# KiCad board ultraterm.kicad_pcb
title: ULTRATERM PCB; date: 2025-06-28; rev: 3; note: SD CARD IS FULL; note: BLOOD IS FUEL; note: MANKIND IS DEAD
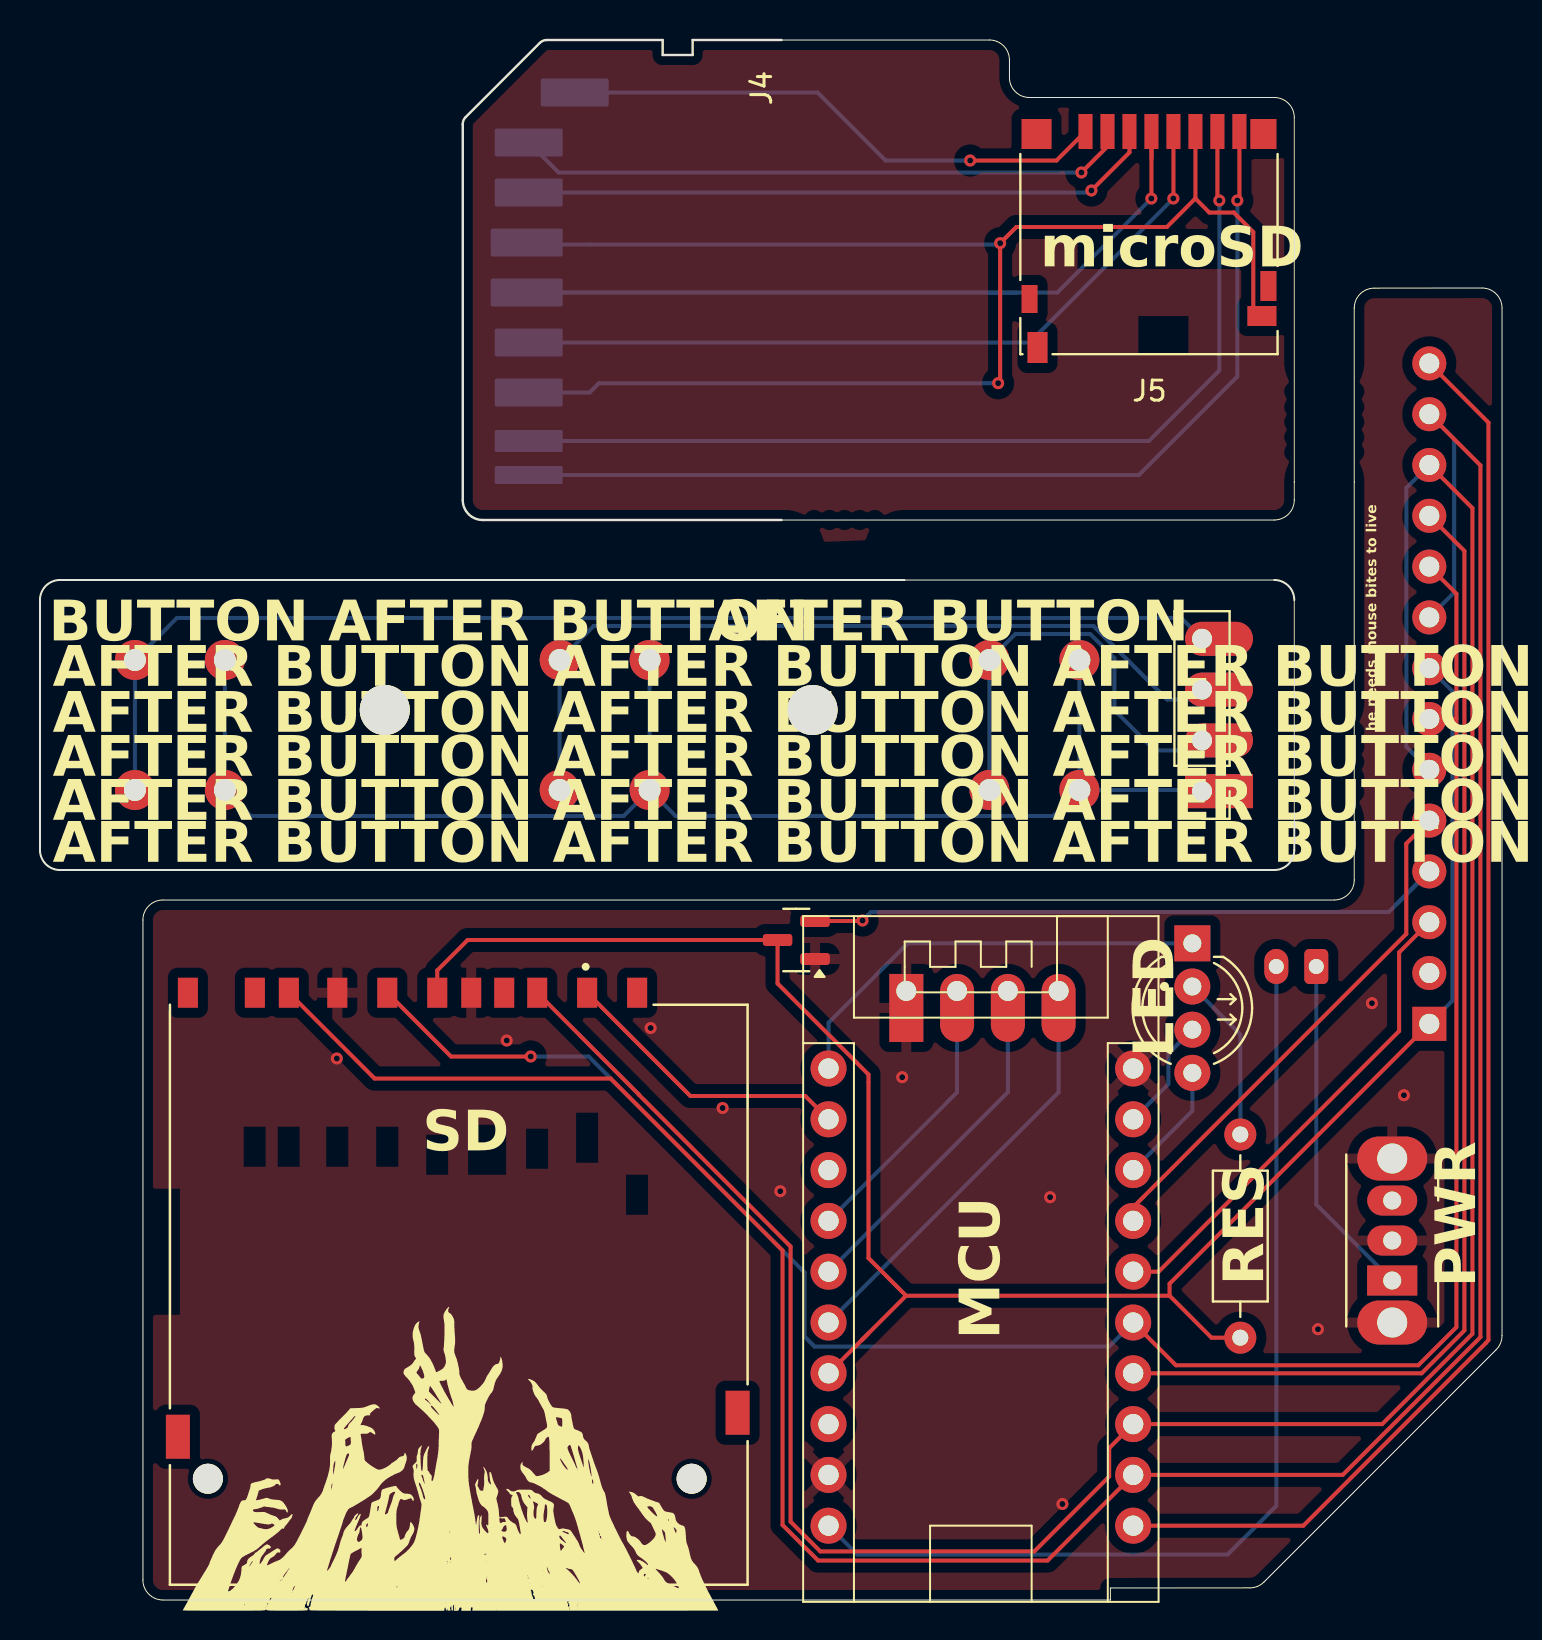
[diagram p0: board, top side]
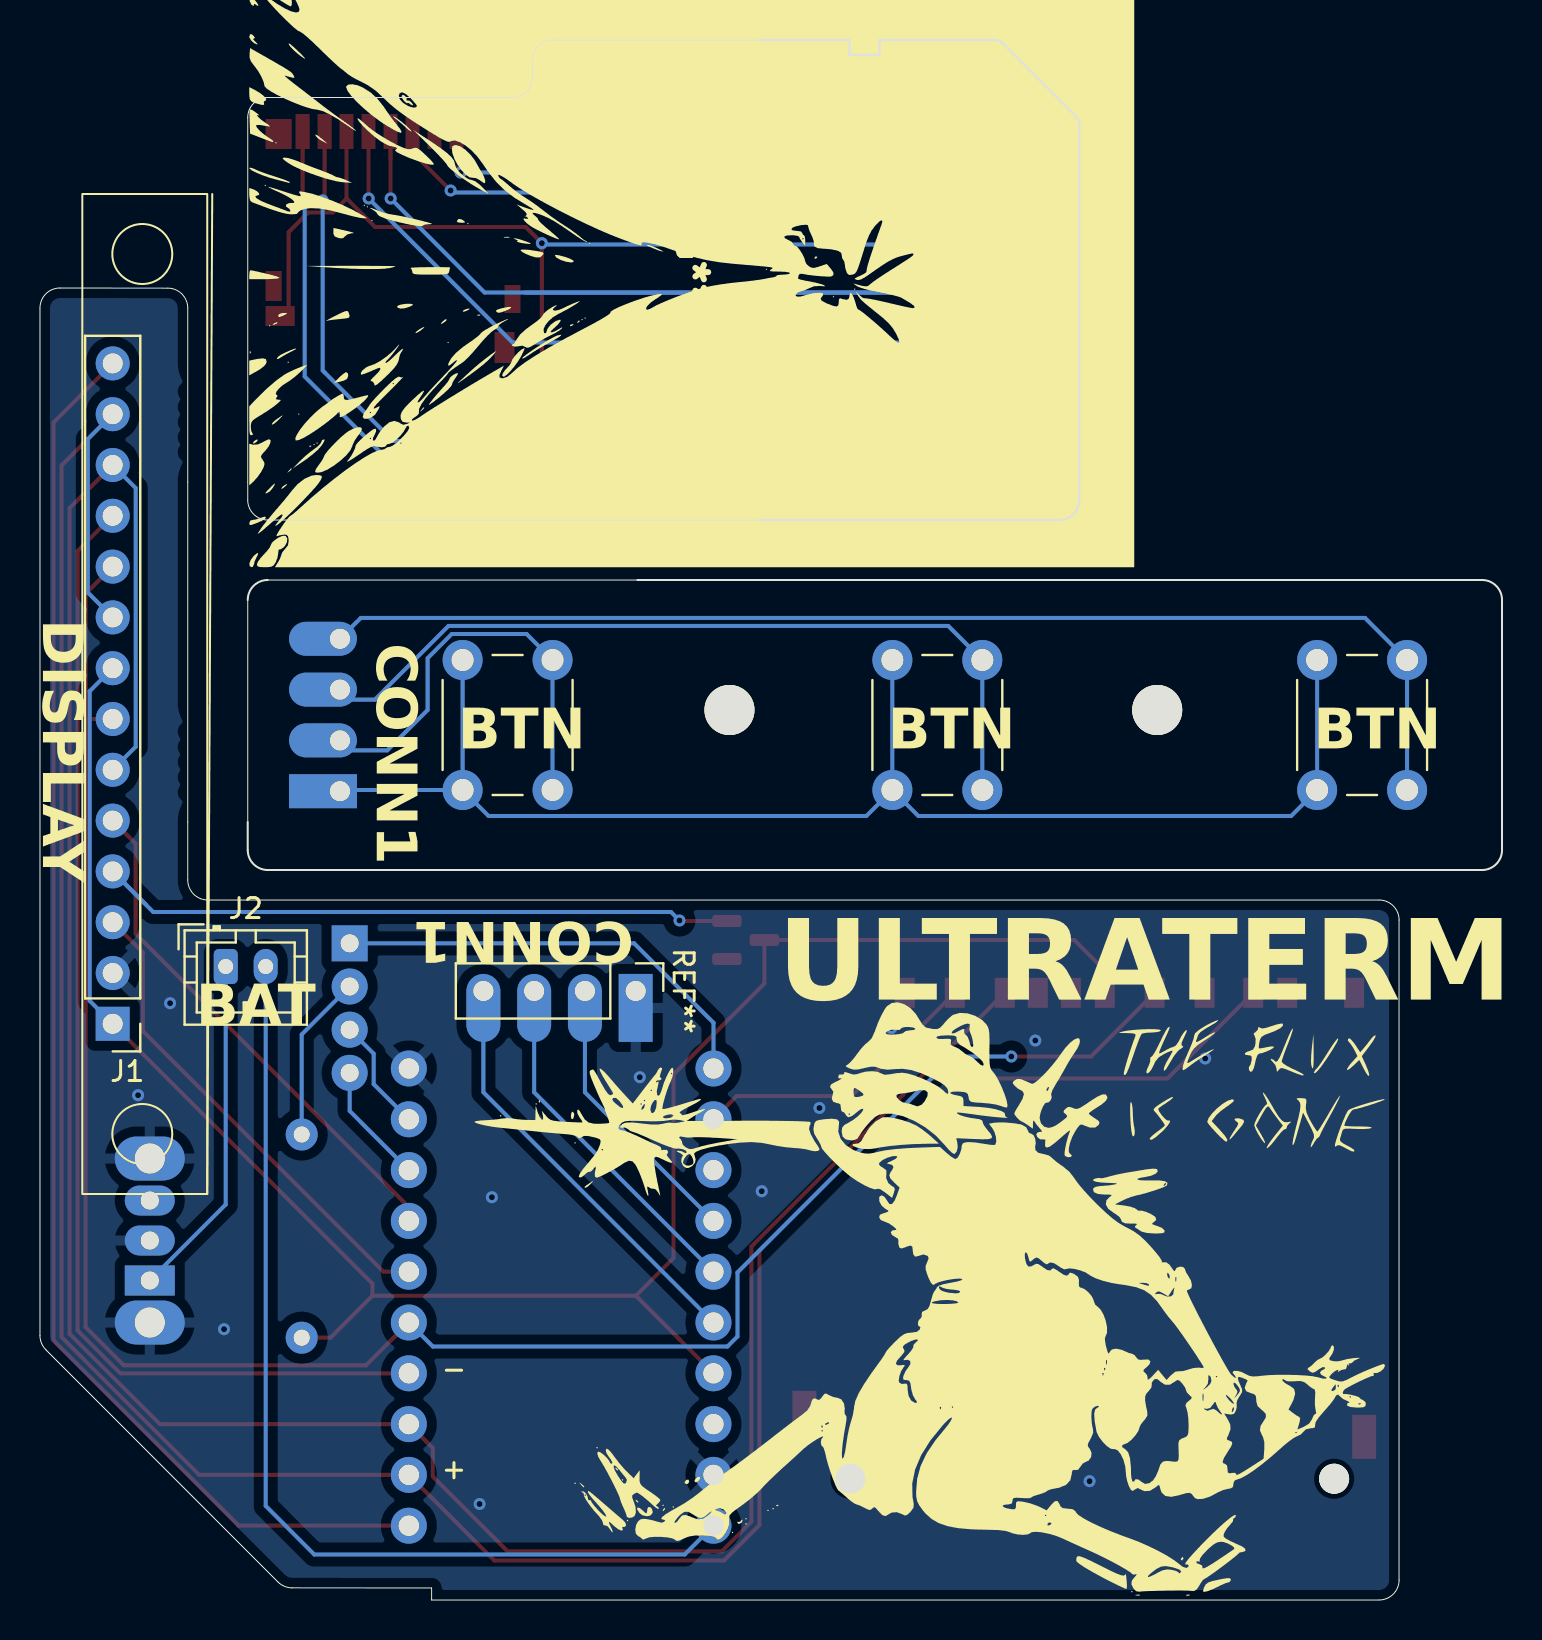
[diagram p1: board, bottom side, seen from below]

Outline 73.14 x 78 mm; copper layers: Top, Bottom. Coordinates in mm from the lower left corner of the outline.
Outline path: 37.1,78 47.5,78 arc(48.21,77.71) 48.5,77 48.5,76.13 arc(48.79,75.42) 49.5,75.13 61.75,75.13 arc(62.46,74.83) 62.75,74.13 ; 37.1,54 61.75,54 arc(62.46,54.29) 62.75,55 62.75,74.12 ; 60.54,0.61 53.55,0.6 53.55,0 6.15,0 arc(5.44,0.29) 5.15,1 5.15,34 arc(5.44,34.71) 6.15,35 64.75,35 arc(65.46,35.29) 65.75,36 65.75,64.59 arc(66.04,65.3) 66.75,65.59 72.14,65.6 arc(72.85,65.31) 73.14,64.6 ; 60.53,0.61 arc(60.91,0.68) 61.24,0.9 72.85,12.51 arc(73.07,12.84) 73.14,13.22 73.14,64.6 ; 0,50 arc(0.29,50.71) 1,51 43.25,51 61.75,51 arc(62.46,50.71) 62.75,50 62.75,38.9 62.75,37.5 arc(62.46,36.79) 61.75,36.5 1,36.5 arc(0.29,36.79) 0,37.5 0,50

## Placement (name value [footprint] x y rotation side)
G***  -  [LOGO]  59.14 57.64 90 top
G***#2  -  [LOGO]  33.64 65.84 90 top
G***#3  -  [LOGO]  20.57 12.33 0 top
G***#4  -  [LOGO]  29.23 14.64 180 bottom
G***#5  -  [LOGO]  40.54 66 90 bottom
J1  ILI9341  [PinHeader_1x14_P2.54mm_Vertical]  70.28 45.3 0 bottom
J2  Battery_plug  [JST_PH_B2B-PH-K_1x02_P2.00mm_Vertical]  63.85 31.68 180 bottom
J3  SD_Card_Receptacle  [AMPHENOL_10067847-001RLF]  20.5 6.06 0 top
J4  SD_Card_Device  [SD_Card_Device_16mm_SlotDepth]  37.15 66 90 top
J5  Micro_SD_Card  [microSD_HC_Hirose_DM3D-SF]  55.48 68.08 180 top
LED1  LED_5mm_RGB_Kcom_RKGB  [LED_D5.0mm-4_RGB_Wide_Pins]  57.65 32.83 270 top
R1  33ohm  [R_Axial_DIN0207_L6.3mm_D2.5mm_P10.16mm_Horizontal]  60.05 13.12 90 top
REF**  -  [PinHeader_1x04_P2.54mm_Vertical]  58.14 40.44 180 top
REF**#2  -  [MountingHole_2.5mm]  17.25 44.5 0 top
REF**#3  -  [MountingHole_2.5mm]  38.65 44.5 0 top
REF**#4  -  [PinHeader_1x04_P2.54mm_Vertical]  43.34 30.45 270 bottom
SW1  SW_Push  [SW_PUSH_6mm]  47.5 47 270 bottom
SW2  SW_Push  [SW_PUSH_6mm]  26 47 270 bottom
SW3  SW_Push  [SW_PUSH_6mm]  4.75 47 270 bottom
SW4  SW_SPST  [SW_Slide_SPDT_Angled_CK_OS102011MA1Q]  67.65 15.98 90 top
U2  LM809  [SOT-23]  37.84 33 180 top
U3  ~  [TINYPICO]  47.07 8.8 180 top

## Library data of the parts
J1 = -: Description: Generic connector, single row, 01x08, script generated; ki_fp_filters: Connector*:*_1x??_*
J2 = -: Description: Generic connector, single row, 01x02, script generated (kicad-library-utils/schlib/autogen/connector/); ki_fp_filters: Connector*:*_1x??_*
J3 = -: Datasheet: http://portal.fciconnect.com/Comergent//fci/drawing/10067847.pdf; Description: SD card receptacle; ki_fp_filters: SD*
J4 = -: Datasheet: http://www.convict.lu/pdf/ProdManualSDCardv1.9.pdf; Description: SD card device/card; ki_fp_filters: SD*Device*
J5 = -: Datasheet: https://www.we-online.com/components/products/datasheet/693072010801.pdf; Description: Micro SD Card Socket; ki_fp_filters: microSD*
LED1 = -: Description: RGB LED, generic 5mm THT, common anode, Alternate KiCad Library; ki_fp_filters: LED* LED_SMD:* LED_THT:*
R1 = -: Description: 33Ω, 1/4W Resistor; ki_fp_filters: Resistor_THT:R_Axial_DIN0207_L6.3mm_D2.5mm*
SW1-SW3 = -: Description: Push button switch, generic, two pins
SW4 = -: Description: Single Pole Single Throw (SPST) switch
U2 = -: Datasheet: http://www.ti.com/lit/ds/symlink/lm809.pdf; Description: Microprocessor Reset (active-low) Circuit, SOT-23; ki_fp_filters: SOT?23*

## Footprints (pads in the part's own frame, mm; a bottom-side part is the same pattern mirrored in y, then rotated)
AMPHENOL_10067847-001RLF
  round 1.5 hole 1.5 unplated: (-12.1,0) (12.1,0)
  rect 1x1.5 smd: 1(6.875,24.3) 2(4.375,24.3) 3(1.075,24.3) 4(-0.625,24.3) 5(-3.125,24.3) 6(-5.625,24.3) 7(-8.05,24.3) 8(-9.75,24.3) 9(9.375,24.3) CD(2.725,24.3) WP(-13.1,24.3)
  rect 1.2x2.2 smd: G1(-13.6,2.1) G2(14.4,3.3)
JST_PH_B2B-PH-K_1x02_P2.00mm_Vertical
  rrect 1.2x1.75 hole 0.75: 1(0,0)
  oval 1.2x1.75 hole 0.75: 2(2,0)
LED_D5.0mm-4_RGB_Wide_Pins
  rect 1.8x1.8 hole 0.9: 1(0,0)
  round 1.8 hole 0.9: 2(2.159,0) 3(4.318,0) 4(6.477,0)
microSD_HC_Hirose_DM3D-SF
  rect 0.7x1.75 smd: 1(3.175,-5.35) 2(2.075,-5.35) 3(0.975,-5.35) 4(-0.125,-5.35) 5(-1.225,-5.35) 6(-2.325,-5.35) 7(-3.425,-5.35) 8(-4.525,-5.35)
  rect 1.45x1 smd: 9(-5.65,3.875)
  rect 1x1.55 smd: 10(5.575,5.45)
  rect 0.8x1.5 smd: 11(-5.975,2.375)
  rect 1.3x1.5 smd: 11(-5.725,-5.225)
  rect 1.5x1.5 smd: 11(5.625,-5.225)
  rect 0.8x1.4 smd: 11(5.975,3.025)
MountingHole_2.5mm
  round 2.5 hole 2.5 unplated: (0,0)
PinHeader_1x04_P2.54mm_Vertical
  rect 3.4x1.7 hole 1: 1(0,0)
  rrect 3.4x1.7 hole 1: 2(0,-2.54) 3(0,-5.08) 4(0,-7.62)
PinHeader_1x14_P2.54mm_Vertical
  rect 1.7x1.7 hole 1: 1(-0.77,16.49)
  round 1.7 hole 1: 2(-0.77,13.95) 3(-0.77,11.41) 4(-0.77,8.87) 5(-0.77,6.33) 6(-0.77,3.79) 7(-0.77,1.25) 8(-0.77,-1.29) 9(-0.77,-3.83) 10(-0.77,-6.37) 11(-0.77,-8.91) 12(-0.77,-11.45) 13(-0.77,-13.99) 14(-0.77,-16.53)
R_Axial_DIN0207_L6.3mm_D2.5mm_P10.16mm_Horizontal
  round 1.6 hole 0.8: 1(0,0)
  oval 1.6x1.6 hole 0.8: 2(10.16,0)
SD_Card_Device_16mm_SlotDepth
  rrect 1.4x3.4 smd far side: 1(6.875,12.7) 2(4.375,12.7) 5(-3.125,12.7) 6(-5.625,12.7) 9(9.375,10.4)
  rrect 1.4x3.6 smd far side: 3(1.875,12.8) 4(-0.625,12.8)
  rrect 1.1x3.4 smd far side: 7(-8.05,12.7)
  rrect 0.9x3.4 smd far side: 8(-9.75,12.7)
SOT-23
  rrect 1.475x0.6 smd: 1(-0.938,0.95) 2(-0.938,-0.95) 3(0.938,0)
SW_PUSH_6mm
  round 2 hole 1.1: 1(0,0) 1(6.5,0) 2(0,-4.5) 2(6.5,-4.5)
SW_Slide_SPDT_Angled_CK_OS102011MA1Q
  oval 2.2x3.5 hole 1.5: (-2.1,0) (6.1,0)
  rect 1.5x2.5 hole 0.9: 1(0,0)
  oval 1.5x2.5 hole 0.9: 2(2,0) 3(4,0)
TINYPICO
  round 1.8 hole 1.016: 1(-7.62,5.08) 2(-7.62,2.54) 3(-7.62,0) 4(-7.62,-2.54) 5(-7.62,-5.08) 6(-7.62,-7.62) 7(-7.62,-10.16) 8(-7.62,-12.7) 9(-7.62,-15.24) 10(-7.62,-17.78) 11(7.62,5.08) 12(7.62,2.54) 13(7.62,0) 14(7.62,-2.54) 15(7.62,-5.08) 16(7.62,-7.62) 17(7.62,-10.16) 18(7.62,-12.7) 19(7.62,-15.24) 20(7.62,-17.78)

## Nets
+3V3: J1.1 J1.8 J3.4 R1.1 U2.3 U3.14
GND: J1.2 J3.3 J3.6 REF**.1 REF**#4.1 SW1.2 SW2.2 SW3.2 SW4. SW4.2 U2.1 U3.10 U3.12
VBAT: J2.2 U3.11
b1: REF**.2 REF**#4.2 SW1.1 U3.17
b2: REF**.3 REF**#4.3 SW2.1 U3.16
b3: REF**.4 REF**#4.4 SW3.1 U3.15
CLK: J1.7 J1.10 J3.5 U3.5
LCD_CS: J1.3 U3.6
LCD_DS: J1.5 U3.7
LCD_RES: J1.4 U2.2
LED_B: LED1.4 U3.8
LED_G: LED1.3 U3.9
LED_R: LED1.1 U3.20
MISO: J1.9 J1.13 J3.7 U3.2
MOSI: J1.6 J1.12 J3.2 U3.3
SD CS: J3.1 U3.19
TOUCH_CS: J1.11 U3.4
TOUCH_PEN: J1.14 U3.1
Net-(J2-Pin_1): J2.1 SW4.1
Net-(J4-CD/DAT3): J4.1 J5.2
Net-(J4-CLK): J4.5 J5.5
Net-(J4-CMD): J4.2 J5.3
Net-(J4-DAT0): J4.7 J5.7
Net-(J4-DAT1): J4.8 J5.8
Net-(J4-DAT2): J4.9 J5.1
Net-(J4-VDD): J4.4 J5.4
Net-(J5-SHIELD): J4.3 J4.6 J5.6 J5.9
Net-(LED1-A): LED1.2 R1.2

Pads without a net: J3 8 9 CD G1 G2 WP; J5 10 11; SW4 3; U3 13 18

## Via types
v1: diameter 0.6, hole 0.3, Top to Bottom, 23 vias

## Routing (per net, layer and track width the routed paths; a pad name or vN(x,y) marks a point on that pad's centre or on a via; arc(x,y) is an arc through that point)
+3V3: length 100.5
  Top w0.2: 43.33,15.21 56.51,15.21 ; 43.33,15.21 41.12,13.01 ; 43.33,15.21 41.45,17.09 41.45,26.27 36.9,30.82 U2.3 21.4,33 19.88,31.48 J3.4 ; 41.12,13.01 U3.14 ; 41.12,13.01 41.45,13.34 ; 56.51,15.21 58.61,13.12 R1.1 ; 56.51,15.21 56.51,15.82 J1.1
  Bottom w0.2: J1.1 70.66,29.96 70.66,45.44 J1.8
GND: length 71.4
  Bottom w0.2: SW1.2 SW1.2 ; SW1.2 58.08,40.5 REF**.1 ; SW1.2 50.7,39.2 31.8,39.2 SW2.2 ; SW2.2 29.2,39.2 10.55,39.2 SW3.2 SW3.2 ; SW2.2 SW2.2 ; 67.65,22.07 67.65,21.78 67.25,21.38
  vias: v1(14.85,27.08) v1(20.64,5.94) v1(23.35,27.98) v1(30.55,28.6) v1(34.15,24.6) v1(37.04,20.44) v1(43.14,26.14) v1(50.54,20.14) v1(51.15,4.8) v1(63.94,13.54) v1(66.64,29.84) v1(68.24,25.24)
VBAT: length 51
  Bottom w0.2: U3.11 40.89,2.28 59.42,2.28 61.85,4.71 J2.2
b1: length 36.8
  Bottom w0.2: 40.15,19.28 39.83,18.96 U3.17 45.88,25.39 REF**#4.2 ; REF**.2 57.64,42.48 55.77,42.48 53.75,44.5 53.75,47.09 52.54,48.3 48.8,48.3 SW1.1 SW1.1
b2: length 58.8
  Bottom w0.2: SW2.1 SW2.1 27.7,48.7 52.7,48.7 56.39,45.02 57.64,45.02 REF**.3 ; REF**#4.3 48.42,25.38 U3.16
b3: length 82.5
  Bottom w0.2: REF**.4 57.09,49.1 6.85,49.1 SW3.1 SW3.1 ; U3.15 50.96,25.39 REF**#4.4
CLK: length 104.8
  Top w0.2: U3.5 56.83,11.74 68.95,11.74 70.86,13.64 70.86,44.08 ; 70.86,44.08 70.84,44.05 J1.7 ; 70.86,44.08 70.86,50.31 J1.10 ; J3.5 20.56,27.18 v1(24.55,27.18)
  Bottom w0.2: U3.5 53.49,12.67 38.75,12.67 38.25,13.17 38.25,16.38 27.45,27.18 v1(24.55,27.18)
LCD_CS: length 24.4
  Top w0.2: J1.3 68,32.38 68,28.45 55.96,16.42 U3.6
LCD_DS: length 26.2
  Top w0.2: U3.7 54.69,19.64 68.35,33.31 68.35,37.82 J1.5
LCD_RES: length 34.1
  Top w0.2: v1(41.15,33.98) 41.13,33.95 U2.2
  Bottom w0.2: v1(41.15,33.98) 41.57,34.4 67.47,34.4 J1.4 67.85,34.78
LED_B: length 6.1
  Bottom w0.2: U3.8 57.65,24.46 LED1.4
LED_G: length 5.7
  Bottom w0.2: LED1.3 56.45,27.32 56.45,25.79 U3.9
LED_R: length 22.1
  Bottom w0.2: U3.20 39.45,28.86 43.42,32.83 LED1.1
MISO: length 142.9
  Top w0.2: J3.7 16.74,26.08 28.55,26.08 37.15,17.48 37.15,3.75 38.93,1.97 50.41,1.97 54.69,6.25 ; J1.13 72.06,56.73 72.06,13.15 65.17,6.25 54.69,6.25 ; 54.69,6.25 54.69,6.02 54.65,5.98 54.85,5.98
  Bottom w0.2: J1.9 70.75,50.38 70.75,58.05 J1.13
MOSI: length 132.3
  Top w0.2: J3.2 29.96,25.28 29.96,25.27 37.55,17.67 37.55,3.92 39.04,2.43 49.74,2.43 53.49,6.18 53.49,7.59 U3.3 67.15,8.8 71.66,13.31 71.66,54.59 J1.12
  Bottom w0.2: J1.6 68.35,42.66 68.35,55.6 J1.12
SD CS: length 14.7
  Top w0.2: U3.19 38.28,25.2 32.54,25.2 J3.1
TOUCH_CS: length 58.9
  Top w0.2: J1.11 71.26,52.45 71.26,13.48 69.12,11.34 U3.4
TOUCH_PEN: length 71.7
  Top w0.2: U3.1 63.2,3.72 72.33,12.85 72.46,12.99 72.46,58.87 J1.14
Net-(J2-Pin_1): length 17.3
  Bottom w0.2: SW4.1 63.85,19.78 J2.1
Net-(J4-CD/DAT3): length 30.9
  Top w0.2: 53.41,73.43 53.41,72.68 v1(52.1,71.38)
  Bottom w0.2: v1(52.1,71.38) 25.95,71.38 24.45,72.88
Net-(J4-CLK): length 38.6
  Top w0.2: J5.5 56.71,70.08 v1(56.7,70.08)
  Bottom w0.2: 24.45,62.88 49.5,62.88 v1(56.7,70.08)
Net-(J4-CMD): length 31.9
  Top w0.2: J5.3 54.51,72.38 v1(52.6,70.48)
  Bottom w0.2: v1(52.6,70.48) 52.5,70.38 24.45,70.38
Net-(J4-DAT0): length 48
  Top w0.2: J5.7 58.91,70.07 v1(59,69.98)
  Bottom w0.2: v1(59,69.98) 59,61.48 55.48,57.95 J4.7
Net-(J4-DAT1): length 49.8
  Top w0.2: J5.8 60.01,70.08 v1(59.9,69.98)
  Bottom w0.2: 24.45,56.25 54.98,56.25 59.9,61.18 v1(59.9,69.98)
Net-(J4-DAT2): length 27.6
  Top w0.2: J5.1 50.86,71.98 v1(46.54,71.98)
  Bottom w0.2: v1(46.54,71.98) 42.3,71.98 38.9,75.38 J4.9
Net-(J4-VDD): length 62.4
  Top w0.2: v1(55.6,70.08) 55.61,70.08 55.61,73.43 55.61,72.08
  Bottom w0.2: 48.9,65.38 24.35,65.38 50.9,65.38 v1(55.6,70.08)
Net-(J5-SHIELD): length 76.5
  Top w0.2: J5.9 60.7,64.63 60.7,68.4 59.72,69.37 58.5,69.37 57.8,70.08 ; 57.8,70.08 56.38,68.65 48.85,68.65 v1(48.04,67.84) 48.04,60.94 v1(47.94,60.84) ; 57.8,70.08 57.81,70.08 J5.6
  Bottom w0.2: J4.6 27.5,60.37 27.97,60.84 v1(47.94,60.84) ; v1(48.04,67.84) 47.97,67.78 24.45,67.78 J4.3
Net-(LED1-A): length 8.4
  Bottom w0.2: LED1.2 60.05,28.28 R1.2

## Copper pours and planes (outline as drawn; the poured copper is in the pictures)
GND on Top, Bottom: 74.85,-0.2 74.85,80.8 63.85,80.8 63.85,34.8 4.15,34.8 4.15,-0.2
(no net) on Top: 19.44,79.34 63.14,79.04 63.44,53.84 19.44,52.14

## Text on the board
B.Silkscreen: - | + | BTN | BAT | CONN1 | DISPLAY | ULTRATERM
F.Mask: MANKIND IS DEAD | BLOOD IS FUEL | SD IS FULL
F.Silkscreen: he needs mouse bites to live | AFTER BUTTON AFTER BUTTON AFTER BUTTON | BUTTON AFTER BUTTON | SD | AFTER BUTTON | microSD | MCU | LED | RES | PWR
